# KiCad board HPM1500_DDR3_CORE_RevB.kicad_pcb (continued)
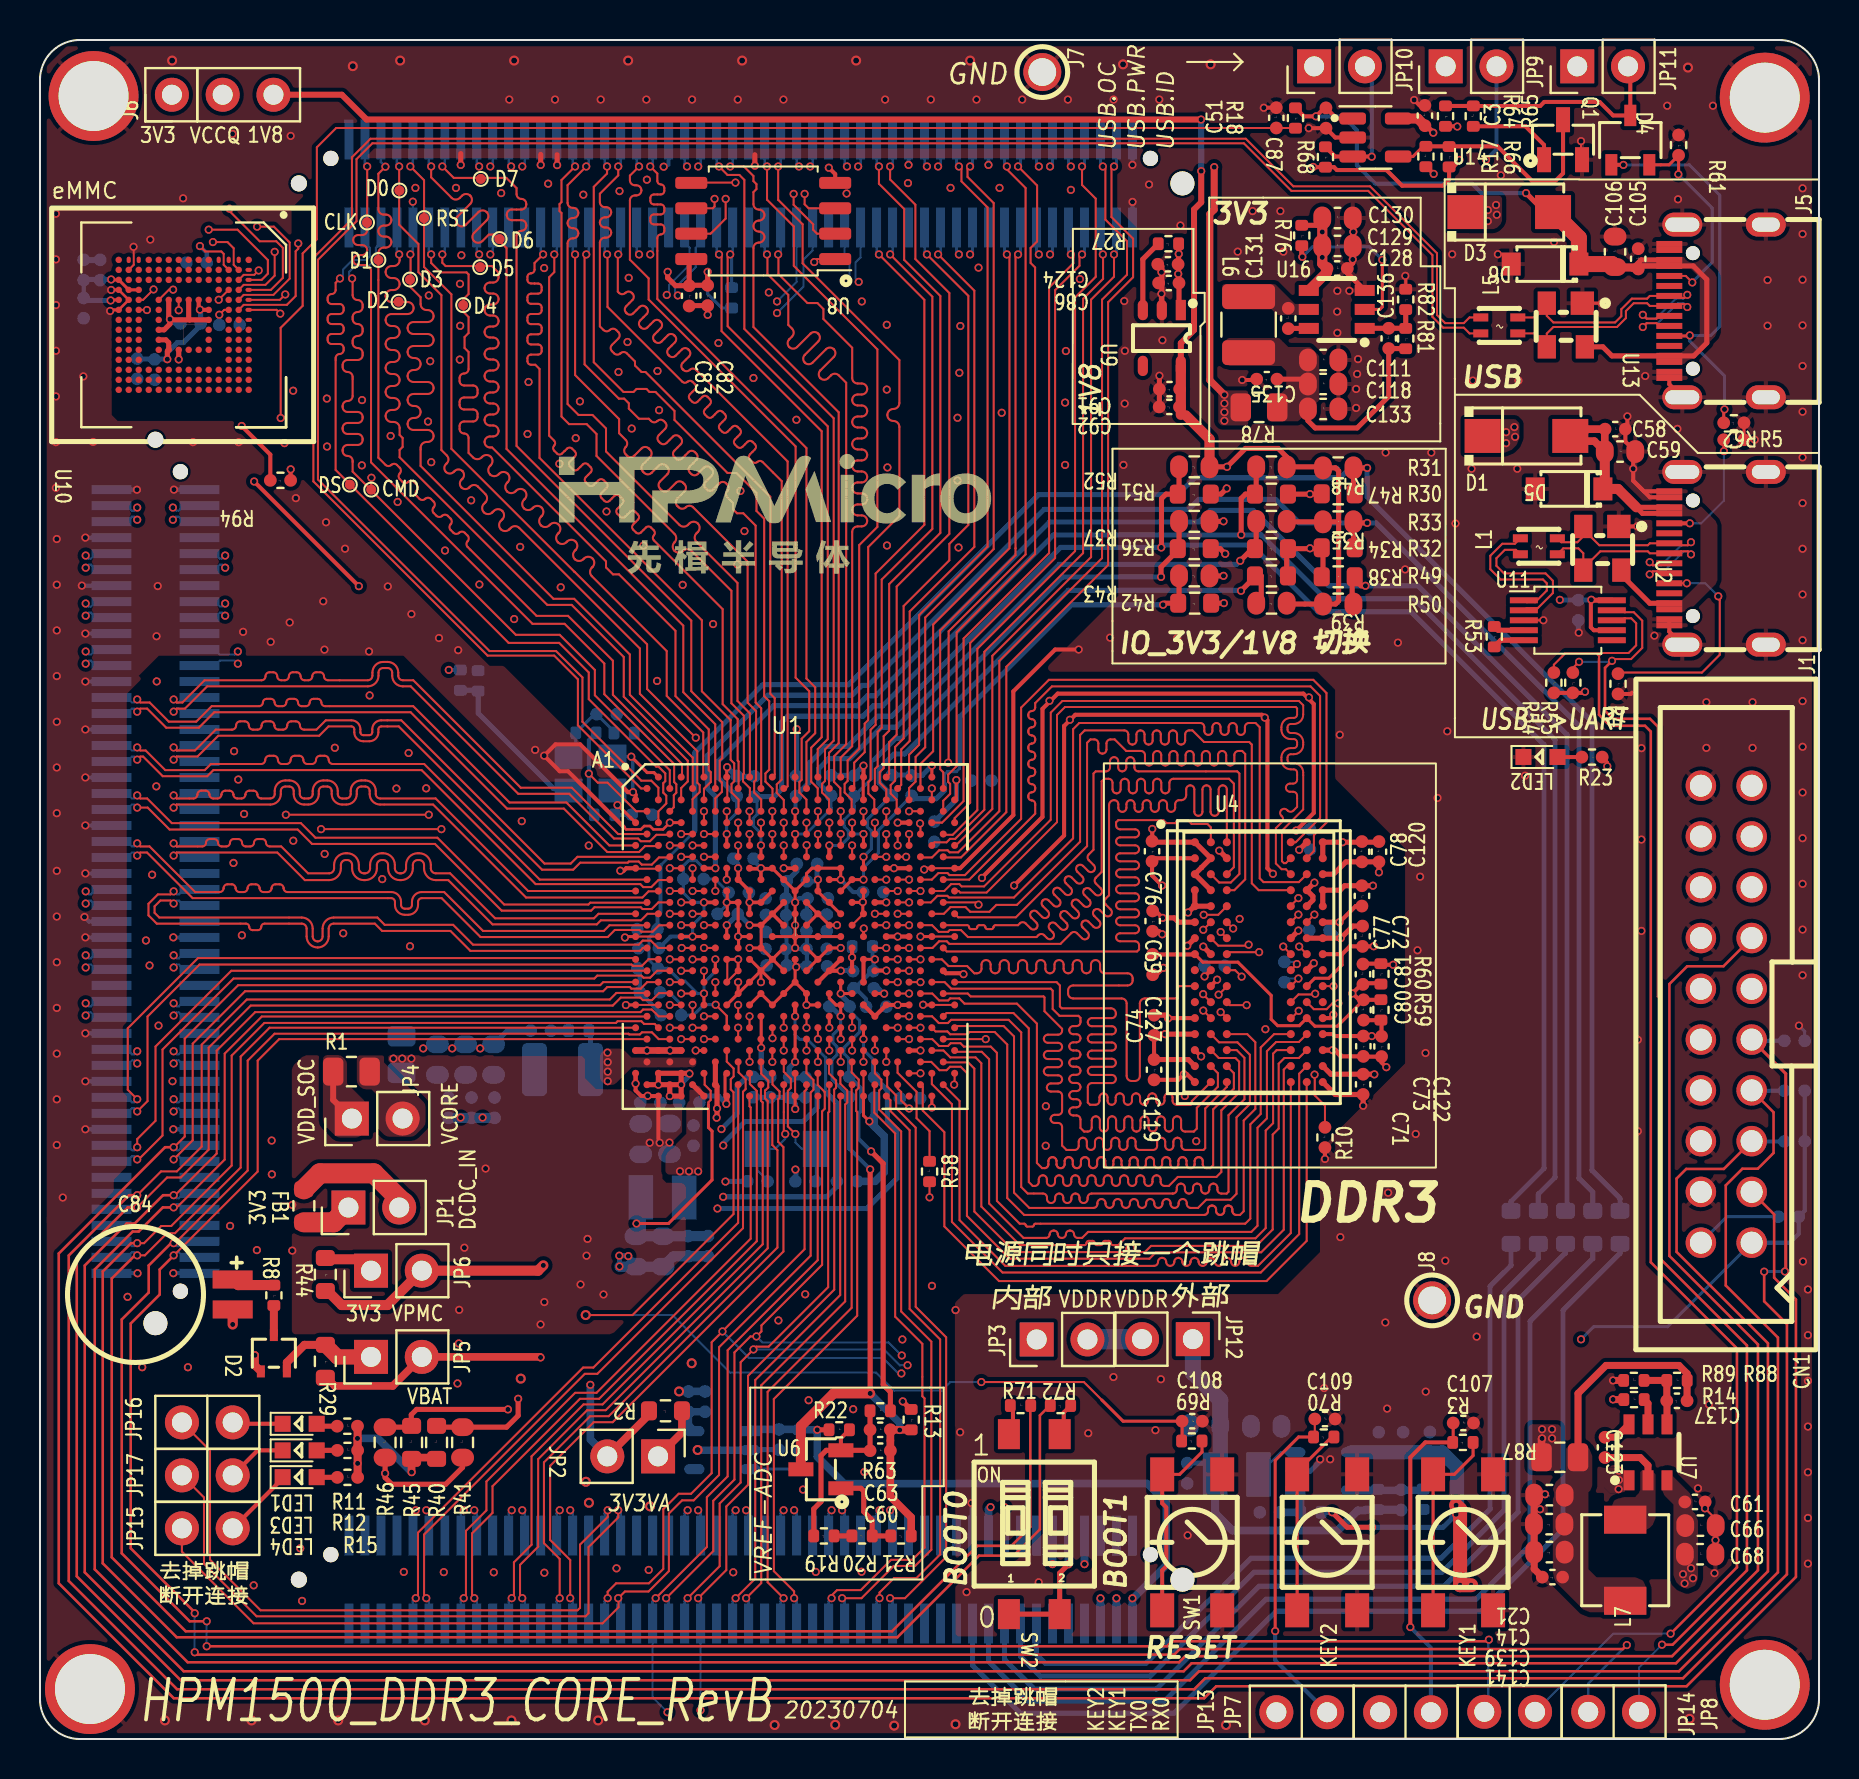
[diagram p0: board, top side]
## Routing (per net, layer and track width the routed paths; a pad name or vN(x,y) marks a point on that pad's centre or on a via; arc(x,y) is an arc through that point) (continued)
  Bottom w0.127: v2(26.77,78.67) 26.65,78.79 J3.29
/Main/PC22: length 38.7
  Top w0.102: v2(27.33,74.27) 27.24,74.19 27.24,68.77 28.96,67.06 29.22,67.06 29.46,66.82 29.46,66.56 29.97,66.05 30.46,66.05 30.57,65.94 arc(30.73,65.87) 30.89,65.94 arc(31.04,66) 31.2,65.94 31.27,65.87 arc(31.34,65.71) 31.27,65.55 30.96,65.23 arc(30.89,65.07) 30.96,64.91 31.03,64.84 arc(31.19,64.78) 31.35,64.84 31.66,65.16 arc(31.82,65.23) 31.98,65.16 32.05,65.09 arc(32.12,64.93) 32.05,64.77 31.73,64.45 arc(31.67,64.29) 31.73,64.13 31.8,64.06 arc(31.96,64) 32.12,64.06 32.44,64.38 arc(32.6,64.45) 32.76,64.38 32.83,64.31 arc(32.9,64.15) 32.83,63.99 32.51,63.67 arc(32.45,63.52) 32.51,63.36 32.58,63.29 arc(32.74,63.22) 32.9,63.29 33.22,63.6 arc(33.38,63.67) 33.54,63.6 33.61,63.53 arc(33.67,63.37) 33.61,63.22 33.29,62.9 arc(33.22,62.74) 33.29,62.58 33.36,62.51 arc(33.52,62.44) 33.68,62.51 34,62.83 arc(34.16,62.89) 34.32,62.83 34.39,62.76 arc(34.45,62.6) 34.39,62.44 arc(34.32,62.28) 34.39,62.12 34.67,61.83 34.67,61.52 34.87,61.32 35.18,61.32 35.8,60.7 35.8,51.85 36.08,51.57 36.08,47.5
  Bottom w0.127: v2(27.33,74.27) 27.45,74.39 J3.32
/Main/PC23: length 38.7
  Top w0.102: 36.08,46.37 36.08,47 35.73,47.35 35.73,47.89 35.82,47.99 35.82,51.43 35.4,51.85 35.4,58.89 32.67,61.62 arc(32.49,61.7) 32.31,61.62 arc(32.13,61.55) 31.95,61.62 31.88,61.69 arc(31.8,61.87) 31.88,62.05 32.24,62.42 arc(32.32,62.6) 32.24,62.78 32.17,62.85 arc(31.99,62.92) 31.81,62.85 31.45,62.48 arc(31.27,62.41) 31.09,62.48 31.02,62.55 arc(30.94,62.73) 31.02,62.91 31.38,63.28 arc(31.46,63.46) 31.38,63.64 31.31,63.71 arc(31.13,63.78) 30.95,63.71 30.59,63.34 arc(30.41,63.27) 30.23,63.34 30.16,63.41 arc(30.08,63.59) 30.16,63.77 30.52,64.14 arc(30.6,64.32) 30.52,64.5 30.45,64.57 arc(30.27,64.64) 30.09,64.57 29.73,64.2 arc(29.55,64.13) 29.37,64.2 29.3,64.27 arc(29.23,64.45) 29.3,64.63 arc(29.37,64.81) 29.3,64.99 28.97,65.32 28.97,66.03 26.77,68.24 v2(26.77,74.27)
  Bottom w0.127: v2(26.77,74.27) 26.65,74.39 J3.30
/Main/PC24: length 38.7
  Top w0.102: U1.A13 36.75,48.24 36.75,52.07 36.53,52.3 36.53,62.15 30.29,68.39 30.09,68.39 29.77,68.71 29.77,68.91 29.36,69.32 arc(29.2,69.39) 29.04,69.32 arc(28.88,69.26) 28.72,69.32 28.61,69.43 arc(28.55,69.59) 28.61,69.75 28.93,70.07 arc(29,70.22) 28.93,70.38 28.83,70.49 arc(28.67,70.56) 28.51,70.49 28.51,70.49 arc(28.35,70.42) 28.19,70.49 28.01,70.67 28.01,74.86 arc(28.08,75.04) 28.26,75.11 28.32,75.11 arc(28.5,75.19) 28.57,75.37 arc(28.5,75.55) 28.32,75.62 28.26,75.62 arc(28.08,75.69) 28.01,75.87 arc(28.08,76.05) 28.26,76.13 28.32,76.13 arc(28.5,76.2) 28.57,76.38 arc(28.5,76.56) 28.32,76.64 28.26,76.64 arc(28.08,76.71) 28.01,76.89 28.01,77.31 28.93,78.23 v2(28.93,78.67)
  Bottom w0.127: J3.35 29.05,78.79 v2(28.93,78.67)
/Main/PC25: length 38.6
  Top w0.102: 36.64,46.91 36.64,47.54 36.29,47.9 36.29,48.31 36.48,48.49 36.48,51.92 36.23,52.17 36.23,61.05 35.84,61.44 35.84,62.34 34.84,63.34 34.39,63.34 31.74,65.99 31.74,66.44 30.79,67.39 30.49,67.39 30.34,67.54 29.84,67.54 29.69,67.39 29.19,67.39 27.7,68.88 27.7,77.65 28.37,78.32 v2(28.37,78.67)
  Bottom w0.127: J3.33 28.25,78.79 v2(28.37,78.67)
/Main/PC26: length 38.7
  Top w0.102: 37.21,47.48 37.4,47.67 37.4,63.91 32.82,68.49 arc(32.66,68.56) 32.5,68.49 arc(32.34,68.43) 32.18,68.49 32.15,68.53 arc(32.08,68.69) 32.15,68.85 32.47,69.17 arc(32.53,69.32) 32.47,69.48 32.43,69.52 arc(32.27,69.58) 32.11,69.52 31.8,69.2 arc(31.64,69.13) 31.48,69.2 31.44,69.24 arc(31.38,69.4) 31.44,69.55 31.76,69.87 arc(31.83,70.03) 31.76,70.19 31.73,70.23 arc(31.57,70.29) 31.41,70.23 31.09,69.91 arc(30.93,69.84) 30.77,69.91 30.74,69.94 arc(30.67,70.1) 30.74,70.26 31.05,70.58 arc(31.12,70.74) 31.05,70.9 31.02,70.93 arc(30.86,71) 30.7,70.93 30.38,70.62 arc(30.22,70.55) 30.06,70.62 30.03,70.65 arc(29.96,70.81) 30.03,70.97 30.35,71.29 arc(30.41,71.45) 30.35,71.61 30.31,71.64 arc(30.15,71.71) 29.99,71.64 29.67,71.32 arc(29.52,71.26) 29.36,71.32 29.32,71.36 arc(29.26,71.52) 29.32,71.68 29.64,71.99 arc(29.71,72.15) 29.64,72.31 29.6,72.35 arc(29.44,72.41) 29.29,72.35 arc(29.13,72.28) 28.97,72.35 28.91,72.41 28.91,74.25 v2(28.93,74.27)
  Bottom w0.127: J3.36 29.05,74.39 v2(28.93,74.27)
/Main/PC27: length 38.7
  Top w0.102: v2(28.37,74.27) 28.39,74.25 28.39,71.64 32.14,67.9 arc(32.26,67.85) 32.39,67.9 arc(32.51,67.95) 32.64,67.9 32.76,67.78 arc(32.82,67.65) 32.76,67.52 32.51,67.27 arc(32.46,67.14) 32.51,67.02 32.63,66.9 arc(32.76,66.84) 32.89,66.9 33.14,67.15 arc(33.27,67.2) 33.39,67.15 33.51,67.03 arc(33.57,66.9) 33.51,66.77 33.26,66.52 arc(33.21,66.39) 33.26,66.27 33.38,66.14 arc(33.51,66.09) 33.64,66.14 33.89,66.4 arc(34.02,66.45) 34.14,66.4 34.27,66.28 arc(34.32,66.15) 34.27,66.02 34.01,65.77 arc(33.96,65.64) 34.01,65.52 34.13,65.39 arc(34.26,65.34) 34.39,65.39 34.64,65.65 arc(34.77,65.7) 34.89,65.65 35.02,65.52 arc(35.07,65.4) 35.02,65.27 34.76,65.02 arc(34.71,64.89) 34.76,64.77 34.89,64.64 arc(35.01,64.59) 35.14,64.64 35.39,64.9 arc(35.52,64.95) 35.65,64.9 35.77,64.77 arc(35.82,64.65) 35.77,64.52 35.51,64.27 arc(35.46,64.14) 35.51,64.01 35.64,63.89 arc(35.76,63.84) 35.89,63.89 arc(36.02,63.94) 36.14,63.89 37.11,62.93 37.11,48.01 36.86,47.76 36.86,47.33 37.21,46.98 37.21,46.34
  Bottom w0.127: J3.34 28.25,74.39 v2(28.37,74.27)
/Main/PC28: length 38.8
  Top w0.102: 38.34,47.5 38.34,49.88 38.78,50.32 38.78,52.62 38.34,53.06 38.34,64.58 30.88,72.04 30.88,75.1 arc(30.93,75.22) 31.06,75.27 arc(31.18,75.32) 31.23,75.45 31.23,75.6 arc(31.18,75.72) 31.06,75.77 30.71,75.77 arc(30.58,75.82) 30.53,75.95 30.53,76.1 arc(30.58,76.22) 30.71,76.27 31.06,76.27 arc(31.18,76.32) 31.23,76.45 31.23,76.6 arc(31.18,76.72) 31.06,76.77 30.71,76.77 arc(30.58,76.82) 30.53,76.95 30.53,77.1 arc(30.58,77.22) 30.71,77.27 31.06,77.27 arc(31.18,77.32) 31.23,77.45 31.23,77.6 arc(31.18,77.72) 31.06,77.77 arc(30.93,77.82) 30.88,77.95 30.88,78.32 v2(30.53,78.67)
  Bottom w0.127: J3.39 30.65,78.79 v2(30.53,78.67)
/Main/PC29: length 38.7
  Top w0.102: 38.34,46.37 38.34,47 37.99,47.35 37.99,47.88 38.1,47.99 38.1,50.04 38.48,50.42 38.48,52.42 37.8,53.1 37.8,64.66 30.45,72.02 30.45,73.07 29.51,74.01 29.51,76.97 arc(29.58,77.15) 29.76,77.22 29.83,77.22 arc(30.01,77.3) 30.09,77.48 arc(30.01,77.66) 29.83,77.73 29.76,77.73 arc(29.58,77.81) 29.51,77.98 29.51,78.21 v2(29.97,78.67)
  Bottom w0.127: v2(29.97,78.67) 29.85,78.79 J3.37
/Main/PD0: length 33.5
  Top w0.102: v2(37.21,45.84) U1.F14
  In2.Cu w0.102: v2(31.36,72.24) 31.49,72.11 31.49,61.07 37.15,55.41 37.15,47.93 37.4,47.69 37.4,47.01 37.21,46.82 v2(37.21,45.84)
  Bottom w0.102: v2(31.36,72.24) 31.47,72.36 31.47,72.73 32.5,73.76 32.5,74.6 32.25,74.85 J3.44
/Main/PD1: length 34.9
  Top w0.102: v2(37.21,44.7) U1.H14
  In2.Cu w0.102: v2(31.91,72.22) 31.79,72.11 31.79,61.2 37.46,55.53 37.46,48.06 37.66,47.86 37.66,46.89 37.42,46.66 37.42,46.21 37.61,46.02 37.61,45.7 37.21,45.3 v2(37.21,44.7)
  Bottom w0.102: v2(31.91,72.22) 31.77,72.36 31.77,72.6 32.8,73.64 32.8,74.6 33.05,74.85 J3.46
/Main/PD2: length 37.3
  Top w0.102: v2(38.34,45.84) U1.F16
  In2.Cu w0.102: v2(32.93,78.67) 32.93,61.9 38.61,56.22 38.61,46.69 38.48,46.57 38.48,45.98 v2(38.34,45.84)
  Bottom w0.127: v2(32.93,78.67) 33.05,78.79 J3.45
/Main/PD3: length 38.6
  Top w0.102: 38.35,44.15 v2(38.35,44.72)
  In2.Cu w0.102: v2(32.37,78.67) 32.37,61.98 38.25,56.09 38.25,46.26 37.99,45.99 37.99,45.67 38.35,45.31 v2(38.35,44.72)
  Bottom w0.127: v2(32.37,78.67) 32.25,78.79 J3.43
/Main/PD4: length 39.9
  Top w0.102: v2(38.73,73.89) 38.88,74.04 U8.1 ; 38.91,48.06 38.91,49.52 39.41,50.02 39.41,65.67 34.4,70.68 34.4,74.14 v2(34.53,74.27)
  In2.Cu w0.102: v2(38.73,73.89) 38.09,73.25 36.44,73.25 arc(36.29,73.19) 36.23,73.03 36.23,72.87 arc(36.16,72.72) 36.01,72.66 arc(35.86,72.72) 35.8,72.87 35.8,73.63 arc(35.73,73.78) 35.58,73.84 arc(35.43,73.78) 35.37,73.63 35.37,73.47 arc(35.3,73.31) 35.15,73.25 34.73,73.25 34.53,73.45 v2(34.53,74.27)
  Bottom w0.127: v2(34.53,74.27) 34.65,74.39 J3.50
  Bottom w0.152: v2(34.53,74.27) 34.6,74.2 34.6,72.61
/Main/PD5: length 31.2
  Top w0.102: v2(33.97,74.27) 34.1,74.14 34.1,70.43 39.1,65.43 39.1,50.12 38.58,49.59 38.58,47.89 38.91,47.57 38.91,46.93
  Bottom w0.127: J3.48 33.85,74.39 v2(33.97,74.27)
/Main/PD6: length 45.4
  Top w0.102: v2(33.75,77.05) 33.75,76.67 33.66,76.58 U8.6 ; v2(34.53,78.67) 35.21,78.67 35.69,78.19 35.69,77.94 35.84,77.79 35.84,77.54 35.69,77.39 35.69,76.79 arc(35.77,76.6) 35.97,76.51 arc(36.16,76.43) 36.24,76.24 arc(36.16,76.05) 35.97,75.96 arc(35.77,75.88) 35.69,75.69 arc(35.77,75.5) 35.97,75.41 arc(36.16,75.33) 36.24,75.14 arc(36.16,74.95) 35.97,74.86 arc(35.77,74.78) 35.69,74.59 35.69,70.64 39.96,66.37 39.96,49.82 39.47,49.34 39.47,47.5
  In2.Cu w0.102: v2(33.75,77.05) 33.75,76.51 34.05,76.2 34.05,75.82 33.83,75.6 33.53,75.6 33.35,75.77 33.35,78.9 33.54,79.09 34.44,79.09 34.53,79 v2(34.53,78.67)
  Bottom w0.127: J3.49 34.65,78.79 v2(34.53,78.67)
/Main/PD7: length 36.8
  Top w0.102: v2(33.97,78.67) 34.39,78.25 34.99,78.25 35.24,78 35.24,70.54 39.71,66.07 39.71,49.94 39.27,49.51 39.27,47.93 39.12,47.78 39.12,47.35 39.47,47 39.47,46.37
  Bottom w0.127: J3.47 33.85,78.79 v2(33.97,78.67)
/Main/PD8: length 45.1
  Top w0.102: v2(34.79,77.86) 32.59,77.86 U8.5 ; v2(36.93,74.27) 36.94,74.26 36.94,73.29 38.39,71.84 38.89,71.84 39.19,71.54 39.19,71.04 40.63,69.6 40.63,68.09 arc(40.71,67.9) 40.91,67.81 41.11,67.81 arc(41.3,67.73) 41.38,67.54 arc(41.3,67.35) 41.11,67.26 40.91,67.26 arc(40.71,67.18) 40.63,66.99 arc(40.71,66.8) 40.91,66.71 41.11,66.71 arc(41.3,66.63) 41.38,66.44 arc(41.3,66.25) 41.11,66.16 40.91,66.16 arc(40.71,66.08) 40.63,65.89 arc(40.71,65.7) 40.91,65.61 41.11,65.61 arc(41.3,65.53) 41.38,65.34 arc(41.3,65.15) 41.11,65.06 40.91,65.06 arc(40.71,64.98) 40.63,64.79 arc(40.71,64.6) 40.91,64.51 41.11,64.51 arc(41.3,64.43) 41.38,64.24 arc(41.3,64.05) 41.11,63.96 40.91,63.96 arc(40.71,63.88) 40.63,63.69 arc(40.71,63.5) 40.91,63.41 41.11,63.41 arc(41.3,63.33) 41.38,63.14 arc(41.3,62.95) 41.11,62.86 40.91,62.86 arc(40.71,62.78) 40.63,62.59 arc(40.71,62.4) 40.91,62.31 41.11,62.31 arc(41.3,62.23) 41.38,62.04 arc(41.3,61.85) 41.11,61.76 40.91,61.76 arc(40.71,61.68) 40.63,61.49 arc(40.71,61.3) 40.91,61.21 41.11,61.21 arc(41.3,61.13) 41.38,60.94 arc(41.3,60.75) 41.11,60.66 40.91,60.66 arc(40.71,60.58) 40.63,60.39 40.63,49.67 40.06,49.09 U1.A19
  In2.Cu w0.102: v2(36.93,74.27) 36.93,74.7 36.85,74.77 36.15,74.77 35.92,75 35.92,75.86 arc(35.85,76.05) 35.66,76.13 35.57,76.13 arc(35.38,76.21) 35.31,76.39 arc(35.38,76.58) 35.57,76.66 35.66,76.66 arc(35.85,76.74) 35.92,76.92 35.92,77.37 35.43,77.86 v2(34.79,77.86)
  Bottom w0.127: v2(36.93,74.27) 37.05,74.39 J3.56
/Main/PD9: length 45.1
  Top w0.102: 40.04,46.93 40.04,47.57 39.73,47.88 39.73,49.17 40.33,49.77 40.33,67.85 39.96,68.22 arc(39.76,68.3) 39.57,68.22 39.43,68.08 arc(39.23,68) 39.04,68.08 arc(38.96,68.28) 39.04,68.47 39.71,69.14 arc(39.79,69.34) 39.71,69.53 arc(39.52,69.61) 39.32,69.53 38.65,68.86 arc(38.45,68.78) 38.26,68.86 arc(38.18,69.05) 38.26,69.25 38.93,69.92 arc(39.01,70.11) 38.93,70.31 arc(38.74,70.39) 38.54,70.31 37.87,69.64 arc(37.68,69.56) 37.48,69.64 arc(37.4,69.83) 37.48,70.03 37.62,70.17 arc(37.7,70.36) 37.62,70.56 37.43,70.75 37.43,72.25 36.39,73.29 36.39,74.25 v2(36.37,74.27) ; v2(37.7,77.3) 37.7,76.75 38.68,75.78 38.68,75.5 38.87,75.31 U8.2
  In2.Cu w0.102: v2(37.7,77.3) 37.7,74.2 37.38,73.87 36.47,73.87 36.37,73.98 v2(36.37,74.27)
  Bottom w0.127: J3.54 36.25,74.39 v2(36.37,74.27)
/Main/PD10: length 45.2
  Top w0.102: v2(38.25,77.3) 38.25,76.78 38.45,76.58 U8.3 ; v2(36.93,78.67) 36.93,77 38.15,75.78 38.15,73.82 42.99,68.98 42.99,66.84 arc(42.9,66.63) 42.69,66.54 arc(42.48,66.45) 42.39,66.24 arc(42.48,66.03) 42.69,65.94 arc(42.9,65.85) 42.99,65.64 42.99,61.19 41.43,59.63 41.43,50.97 41.25,50.79 41.25,49.37 40.73,48.84 40.73,47.63 40.6,47.5
  In2.Cu w0.102: v2(36.93,78.67) 36.93,78.37 36.45,77.9 36.45,76.38 36.64,76.19 37.04,76.19 37.23,76.38 37.23,77.85 37.3,77.93 37.7,77.93 38.25,77.38 v2(38.25,77.3)
  Bottom w0.127: v2(36.93,78.67) 37.05,78.79 J3.55
/Main/PD11: length 45.1
  Top w0.102: 40.6,46.37 40.6,47 40.25,47.35 40.25,47.78 40.4,47.93 40.4,48.95 40.98,49.53 40.98,59.73 41.89,60.64 41.89,69.52 37.71,73.7 37.71,75.67 36.37,77.01 36.37,78.67 v2(36.37,78.67) ; U8.7 33.55,75.31 34.3,76.06 v2(34.3,77.05)
  In2.Cu w0.102: v2(36.37,78.67) 35.97,78.27 34.57,78.27 34.3,78 34.3,77.75 34.92,77.12 34.92,76.58 34.77,76.42 34.43,76.42 34.3,76.55 v2(34.3,77.05)
  Bottom w0.127: v2(36.37,78.67) 36.25,78.79 J3.53
/Main/PD12: length 36.8
  Top w0.102: U1.E17 v2(38.92,46.41)
  In2.Cu w0.102: v2(38.92,46.41) 38.92,56.83 36.26,59.49 36.26,60.1 arc(36.19,60.26) 36.03,60.33 arc(35.88,60.4) 35.81,60.55 35.81,60.65 arc(35.88,60.81) 36.03,60.88 36.46,60.88 arc(36.6,60.94) 36.66,61.08 36.66,61.23 arc(36.6,61.37) 36.46,61.43 36.03,61.43 arc(35.88,61.5) 35.81,61.65 35.81,61.75 arc(35.88,61.91) 36.03,61.98 36.46,61.98 arc(36.6,62.04) 36.66,62.18 36.66,62.33 arc(36.6,62.47) 36.46,62.53 36.03,62.53 arc(35.88,62.6) 35.81,62.75 35.81,62.85 arc(35.88,63.01) 36.03,63.08 36.46,63.08 arc(36.6,63.14) 36.66,63.28 36.66,63.43 arc(36.6,63.57) 36.46,63.63 36.03,63.63 arc(35.88,63.7) 35.81,63.85 35.81,63.95 arc(35.88,64.11) 36.03,64.18 36.46,64.18 arc(36.6,64.24) 36.66,64.38 36.66,64.53 arc(36.6,64.67) 36.46,64.73 arc(36.32,64.79) 36.26,64.93 36.26,71.56 36.62,71.92 v2(36.87,71.92)
  Bottom w0.102: J3.58 37.85,72.9 v2(36.87,71.92)
/Main/PD13: length 36.8
  Top w0.102: v2(38.92,45.27) U1.G17
  In2.Cu w0.102: v2(36.87,71.34) 36.69,71.16 36.69,70.89 arc(36.77,70.7) 36.97,70.61 37.12,70.61 arc(37.31,70.53) 37.39,70.34 arc(37.31,70.15) 37.12,70.06 36.97,70.06 arc(36.77,69.98) 36.69,69.79 arc(36.77,69.6) 36.97,69.51 37.12,69.51 arc(37.31,69.43) 37.39,69.24 arc(37.31,69.05) 37.12,68.96 36.97,68.96 arc(36.77,68.88) 36.69,68.69 arc(36.77,68.5) 36.97,68.41 37.12,68.41 arc(37.31,68.33) 37.39,68.14 arc(37.31,67.95) 37.12,67.86 36.97,67.86 arc(36.77,67.78) 36.69,67.59 arc(36.77,67.4) 36.97,67.31 37.12,67.31 arc(37.31,67.23) 37.39,67.04 arc(37.31,66.85) 37.12,66.76 36.97,66.76 arc(36.77,66.68) 36.69,66.49 36.69,65.84 37.24,65.29 37.24,64.79 37.44,64.59 37.44,64.29 37.24,64.09 37.24,59.09 39.27,57.06 39.27,46.2 38.92,45.84 v2(38.92,45.27)
  Bottom w0.102: J3.60 38.65,74.47 38.19,74.01 38.19,72.66 v2(36.87,71.34)
/Main/PD14: length 36.8
  Top w0.102: v2(39.49,45.84) U1.F18
  In2.Cu w0.102: v2(39.49,45.84) 39.6,45.96 39.6,57.31 38.23,58.68 38.23,72.13 39.54,73.45 39.54,75.29 39.34,75.49 39.34,75.89 39.54,76.09 39.54,76.67 37.97,78.24 v2(37.97,78.67)
  Bottom w0.127: v2(37.97,78.67) 37.85,78.79 J3.57
/Main/PD15: length 36.9
  Top w0.102: U1.E19 v2(40.06,46.41)
  In2.Cu w0.102: v2(38.53,78.67) 38.53,78.35 40,76.88 40,76.34 arc(40.06,76.2) 40.2,76.14 arc(40.34,76.08) 40.4,75.94 40.4,75.74 arc(40.34,75.6) 40.2,75.54 arc(40.06,75.48) 40,75.34 40,75.14 arc(40.06,75) 40.2,74.94 arc(40.34,74.88) 40.4,74.74 40.4,74.54 arc(40.34,74.4) 40.2,74.34 arc(40.06,74.28) 40,74.14 40,73.25 38.69,71.94 38.69,58.84 40.04,57.49 40.04,46.43 v2(40.06,46.41)
  Bottom w0.127: J3.59 38.65,78.79 v2(38.53,78.67)
/Main/PD16: length 36.8
  Top w0.102: v2(40.06,45.27) U1.G19
  In2.Cu w0.102: v2(40.06,45.27) 40.23,45.45 40.23,46.03 40.5,46.3 40.5,48.33 40.34,48.48 40.34,49.34 40.64,49.64 40.64,57.52 39.74,58.43 39.74,67.74 arc(39.67,67.9) 39.51,67.96 arc(39.35,68.03) 39.29,68.19 39.29,68.29 arc(39.35,68.45) 39.51,68.51 39.96,68.51 arc(40.12,68.58) 40.19,68.74 40.19,68.84 arc(40.12,69) 39.96,69.06 39.51,69.06 arc(39.35,69.13) 39.29,69.29 39.29,69.39 arc(39.35,69.55) 39.51,69.61 39.96,69.61 arc(40.12,69.68) 40.19,69.84 40.19,69.94 arc(40.12,70.1) 39.96,70.16 39.51,70.16 arc(39.35,70.23) 39.29,70.39 39.29,70.49 arc(39.35,70.65) 39.51,70.71 39.96,70.71 arc(40.12,70.78) 40.19,70.94 40.19,71.04 arc(40.12,71.2) 39.96,71.26 39.51,71.26 arc(39.35,71.33) 39.29,71.49 39.29,71.84 40.35,72.9 v2(40.35,72.9)
  Bottom w0.102: v2(40.35,72.9) 40.5,73.05 40.5,73.88 40.25,74.13 J3.64
/Main/PD17: length 36.8
  Top w0.102: U1.F20 v2(40.62,45.84)
  In2.Cu w0.102: v2(40.96,72.9) 40.96,72.51 40.64,72.19 40.64,68.99 40.89,68.74 40.89,68.44 40.64,68.19 40.64,67.54 arc(40.58,67.4) 40.44,67.34 arc(40.3,67.28) 40.24,67.14 40.24,66.99 arc(40.3,66.85) 40.44,66.79 40.84,66.79 arc(40.98,66.73) 41.04,66.59 41.04,66.44 arc(40.98,66.3) 40.84,66.24 40.44,66.24 arc(40.3,66.18) 40.24,66.04 40.24,65.89 arc(40.3,65.75) 40.44,65.69 40.84,65.69 arc(40.98,65.63) 41.04,65.49 41.04,65.34 arc(40.98,65.2) 40.84,65.14 40.44,65.14 arc(40.3,65.08) 40.24,64.94 40.24,64.79 arc(40.3,64.65) 40.44,64.59 40.84,64.59 arc(40.98,64.53) 41.04,64.39 41.04,64.24 arc(40.98,64.1) 40.84,64.04 40.44,64.04 arc(40.3,63.98) 40.24,63.84 40.24,63.69 arc(40.3,63.55) 40.44,63.49 40.84,63.49 arc(40.98,63.43) 41.04,63.29 41.04,63.14 arc(40.98,63) 40.84,62.94 40.44,62.94 arc(40.3,62.88) 40.24,62.74 40.24,62.59 arc(40.3,62.45) 40.44,62.39 arc(40.58,62.33) 40.64,62.19 40.64,58.29 41.09,57.84 41.09,49.54 40.69,49.14 40.69,48.57 40.8,48.45 40.8,46.02 v2(40.62,45.84)
  Bottom w0.102: J3.66 41.05,74.13 40.8,73.88 40.8,73.05 v2(40.96,72.9)
/Main/PD18: length 37
  Top w0.102: U1.H20 v2(40.62,44.7)
  In2.Cu w0.102: v2(40.62,44.7) 40.62,45.21 41.56,46.14 41.56,46.62 41.44,46.74 41.44,47.39 41.94,47.89 41.94,73.31 41.5,73.75 41.5,77.62 40.93,78.2 v2(40.93,78.67)
  Bottom w0.127: J3.65 41.05,78.79 v2(40.93,78.67)
/Main/PD19: length 34.9
  Top w0.102: v2(41.19,46.41) U1.E21
  In2.Cu w0.102: v2(41.19,46.41) 41.19,47.94 41.61,48.36 41.61,73.09 41.13,73.57 41.13,77.45 40.37,78.21 v2(40.37,78.67)
  Bottom w0.127: v2(40.37,78.67) 40.25,78.79 J3.63
/Main/PD20: length 30.2
  Top w0.102: v2(42.53,74.27) 44.64,72.16 44.64,60.54 42.11,58.01 42.11,50.59 41.91,50.39 41.91,48.67 41.77,48.53 U1.B22
  Bottom w0.127: J3.70 42.65,74.39 v2(42.53,74.27)
/Main/PD21: length 31.5
  Top w0.102: v2(41.97,74.27) 44.24,72 44.24,60.75 41.8,58.31 41.8,50.74 41.55,50.49 41.55,47.99 41.44,47.88 41.44,47.3 41.73,47 41.73,46.37
  Bottom w0.127: v2(41.97,74.27) 41.85,74.39 J3.68
/Main/PD22: length 34.5
  Top w0.102: U1.A23 42.48,48.27 42.48,49.87 42.86,50.24 42.86,57.65 45.49,60.29 45.49,72.34 43.79,74.04 43.79,76.76 42.53,78.02 v2(42.53,78.67)
  Bottom w0.127: v2(42.53,78.67) 42.65,78.79 J3.69
/Main/PD23: length 35.8
  Top w0.102: U1.C23 42.34,47.51 42.01,47.84 42.01,48.37 42.21,48.57 42.21,50.17 42.48,50.44 42.48,57.78 45.04,60.34 45.04,72.19 43.23,74 43.23,76.54 41.97,77.81 v2(41.97,78.67)
  Bottom w0.127: v2(41.97,78.67) 41.85,78.79 J3.67
/Main/PD24: length 30.5
  Top w0.102: v2(44.93,74.27) 46.74,72.46 46.74,59.64 43.51,56.41 43.51,49.93 43.08,49.51 43.08,47.73 U1.B24
  Bottom w0.127: J3.76 45.05,74.39 v2(44.93,74.27)
/Main/PD25: length 31.9
  Top w0.102: 42.86,46.37 42.86,47 42.56,47.3 42.56,47.72 42.78,47.95 42.78,49.63 43.2,50.06 43.2,56.68 45.49,58.97 45.49,59.79 46.44,60.74 46.44,72.2 v2(44.37,74.27)
  Bottom w0.127: J3.74 44.25,74.39 v2(44.37,74.27)
/Main/PD26: length 35.9
  Top w0.102: U1.F22 v2(41.77,45.84)
  In2.Cu w0.102: v2(44.37,78.67) 44.37,77.93 43.33,76.89 43.33,71.43 42.98,71.08 42.98,50.36 42.41,49.78 42.41,47.65 41.77,47.01 v2(41.77,45.84)
  Bottom w0.127: v2(44.37,78.67) 44.25,78.79 J3.73
/Main/PD27: length 38.1
  Top w0.102: U1.H22 v2(42.34,44.13)
  In2.Cu w0.102: v2(42.34,44.13) 41.92,44.55 41.92,45.4 42.13,45.61 42.13,46.04 41.98,46.19 41.98,46.77 42.75,47.54 42.75,49.69 43.42,50.35 43.42,70.92 43.73,71.24 43.73,76.62 44.93,77.82 v2(44.93,78.67)
  Bottom w0.127: v2(44.93,78.67) 45.05,78.79 J3.75
/Main/PD28: length 31.3
  Top w0.102: v2(42.34,46.41) U1.E23
  In2.Cu w0.102: v2(42.34,46.41) 43.11,47.18 43.11,49.6 43.88,50.38 43.88,70.79 45.97,72.88 v2(45.97,74.27)
  Bottom w0.127: v2(45.97,74.27) 45.85,74.39 J3.78
/Main/PD29: length 32.7
  Top w0.102: v2(42.34,45.27) U1.G23
  In2.Cu w0.102: v2(42.34,45.27) 42.34,45.81 43.41,46.88 43.41,49.35 44.21,50.16 44.21,70.6 46.53,72.92 v2(46.53,74.27)
  Bottom w0.127: v2(46.53,74.27) 46.65,74.39 J3.80
/Main/PD30: length 34.2
  Top w0.102: v2(45.97,78.67) 46.1,78.54 46.1,77.93 47.4,76.62 47.4,59.66 43.98,56.23 43.98,49.74 43.47,49.24 U1.A25
  Bottom w0.127: v2(45.97,78.67) 45.85,78.79 J3.77
/Main/PD31: length 35.4
  Top w0.102: U1.C25 43.47,47.57 43.8,47.9 43.8,49.14 44.28,49.62 44.28,56.11 47.71,59.53 47.71,76.84 46.4,78.15 46.4,78.54 v2(46.53,78.67)
  Bottom w0.127: J3.79 46.65,78.79 v2(46.53,78.67)
/Main/PE0: length 29.8
  Top w0.102: U1.B28 45.19,48.36 45.03,48.52 45.03,55.45 48.8,59.23 48.8,59.57 48.8,74.14 v2(48.93,74.27)
  Bottom w0.127: v2(48.93,74.27) 49.05,74.39 J3.86
/Main/PE1: length 30
  Top w0.102: U1.B26 44.05,48.78 44.68,49.42 44.68,55.75 48.5,59.57 48.5,74.14 v2(48.37,74.27)
  Bottom w0.127: J3.84 48.25,74.39 v2(48.37,74.27)
/Main/PE2: length 35.5
  Top w0.102: v2(45.43,48.84) 45.46,48.87 45.46,55.41 49.31,59.26 49.31,77.59 48.37,78.53 v2(48.37,78.67) ; U1.C27 v2(44.62,47.55)
  In2.Cu w0.102: 44.61,47.51 45.06,47.96 45.06,48.47 v2(45.43,48.84)
  Bottom w0.127: v2(48.37,78.67) 48.25,78.79 J3.83
/Main/PE3: length 36.3
  Top w0.102: U1.D28 45.19,46.94 45.53,47.28 45.53,47.78 45.43,47.88 45.43,48.24 45.86,48.67 45.86,55.36 49.78,59.29 49.78,73.62 49.56,73.84 49.56,74.59 49.88,74.92 49.88,77.72 v2(48.93,78.67)
  Bottom w0.127: v2(48.93,78.67) 49.05,78.79 J3.85
/Main/PE4: length 32.5
  Top w0.102: U1.D26 v2(43.47,46.41)
  In2.Cu w0.102: v2(43.47,46.41) 43.73,46.67 43.73,48.95 45.07,50.28 45.07,66.92 48.26,70.11 48.26,71.6 49.97,73.31 v2(49.97,74.27)
  Bottom w0.127: J3.88 49.85,74.39 v2(49.97,74.27)
/Main/PE5: length 33.9
  Top w0.102: v2(43.47,45.27) U1.G25
  In2.Cu w0.102: v2(43.47,45.27) 43.47,45.82 44.05,46.4 44.05,48.83 45.37,50.16 45.37,66.62 50.4,71.65 50.4,73.81 50.53,73.94 v2(50.53,74.27)
  Bottom w0.127: J3.90 50.65,74.39 v2(50.53,74.27)
/Main/PE6: length 40.2
  Top w0.102: v2(42.91,44.7) U1.F24
  In2.Cu w0.102: v2(49.97,78.67) 49.97,76.56 51.19,75.33 51.19,70.74 46.76,66.31 46.76,47.93 43.53,44.7 v2(42.91,44.7)
  Bottom w0.127: J3.87 49.85,78.79 v2(49.97,78.67)
/Main/PE7: length 41
  Top w0.102: U1.H24 v2(43.33,44.13)
  In2.Cu w0.102: v2(43.33,44.13) 47.11,47.91 47.11,65.99 52.58,71.46 52.58,74.82 50.53,76.87 v2(50.53,78.67)
  Bottom w0.127: v2(50.53,78.67) 50.65,78.79 J3.89
/Main/PE8: length 32.5
  Top w0.102: v2(52.13,74.27) 52,74.14 52,73.7 50.78,72.48 50.78,59.08 46.53,54.83 46.53,46.84 45.75,46.07 U1.E29
  Bottom w0.127: J3.94 52.25,74.39 v2(52.13,74.27)
/Main/PE9: length 33.1
  Top w0.102: U1.E27 45.12,45.84 46.2,46.92 46.2,55.05 50.48,59.33 50.48,72.62 51.7,73.83 51.7,74.14 v2(51.57,74.27)
  Bottom w0.127: J3.92 51.45,74.39 v2(51.57,74.27)
/Main/PE10: length 38.6
  Top w0.102: v2(52.13,78.67) 52.13,77.75 52.81,77.06 52.81,73.15 51.78,72.12 51.78,59.43 46.89,54.54 46.89,46.47 45.66,45.24 45.13,45.24
  Bottom w0.127: J3.93 52.25,78.79 v2(52.13,78.67)
/Main/PE11: length 40.9
  Top w0.102: v2(44.03,45.8) 44.05,45.78 U1.F26
  In2.Cu w0.102: v2(44.03,45.8) 44.03,45.8 45.39,47.16 45.39,48.09 46.42,49.12 46.42,66.52 50.91,71.01 50.91,75.11 49.44,76.58 49.44,78.86 49.67,79.09 51.15,79.09 v2(51.57,78.67)
  Bottom w0.127: v2(51.57,78.67) 51.45,78.79 J3.91
/Main/PE12: length 34.3
  Top w0.102: v2(53.73,74.27) 53.73,73.16 52.58,72.01 52.58,59.13 47.64,54.19 47.64,46.53 45.81,44.7 U1.G29
  Bottom w0.127: J3.98 53.85,74.39 v2(53.73,74.27)
/Main/PE13: length 35.1
  Top w0.102: 44.56,44.67 44.75,44.86 45.35,44.86 45.52,45.03 45.78,45.03 47.24,46.49 47.24,54.39 52.18,59.33 52.18,72.05 53.18,73.05 53.18,74.26 v2(53.17,74.27)
  Bottom w0.127: v2(53.17,74.27) 53.05,74.39 J3.96
/Main/PE14: length 41
  Top w0.102: v2(53.73,78.67) 53.6,78.54 53.6,76.14 54.68,75.06 54.68,73.13 53.43,71.88 53.43,58.73 48.34,53.64 48.34,46.37 46.07,44.1 45.13,44.1
  Bottom w0.127: v2(53.73,78.67) 53.85,78.79 J3.97
/Main/PE15: length 41.8
  Top w0.102: 44,44.1 44.62,44.1 44.98,44.46 45.41,44.46 45.51,44.36 45.93,44.36 47.99,46.42 47.99,53.94 53.13,59.08 53.13,72.01 54.38,73.26 54.38,74.93 53.3,76.01 53.3,78.54 v2(53.17,78.67)
  Bottom w0.127: v2(53.17,78.67) 53.05,78.79 J3.95
/Main/PE16: length 29.5
  Top w0.102: v2(42,7.05) 42,7.33 42.72,8.05 43.85,8.05 45.03,9.24 45.03,19.99 43.5,21.52 43.5,30.46 42.54,31.42 42.54,31.96 U1.AJ23
  Bottom w0.127: J4.68 41.85,6.9 v2(42,7.05)
/Main/PE17: length 30.4
  Top w0.102: 42.38,33.28 42.38,32.64 42.83,32.19 42.83,31.56 43.81,30.58 43.81,21.62 45.33,20.1 45.33,9.1 43.27,7.05 v2(42.53,7.05)
  Bottom w0.127: J4.70 42.65,6.92 v2(42.53,7.05)
/Main/PE18: length 31.4
  Top w0.102: 41.73,32.79 41.73,31.34 42.78,30.29 42.78,21.13 44.14,19.77 44.14,17.15 44.25,17.04 44.25,9.58 43.64,8.96 42.58,8.96 41.06,7.45 39.87,7.45 39.6,7.18 v2(39.6,7.05)
  Bottom w0.127: v2(39.6,7.05) 39.45,6.9 J4.62
/Main/PE19: length 32.5
  Top w0.102: U1.AF22 41.77,33.31 42.09,32.98 42.09,32.56 41.98,32.44 41.98,31.49 43.08,30.39 43.08,21.39 44.59,19.88 44.59,9.47 43.78,8.66 42.71,8.66 41.1,7.05 v2(40.13,7.05)
  Bottom w0.127: J4.64 40.25,6.92 v2(40.13,7.05)
